# KiCad board dya-panelized.kicad_pcb (continued)
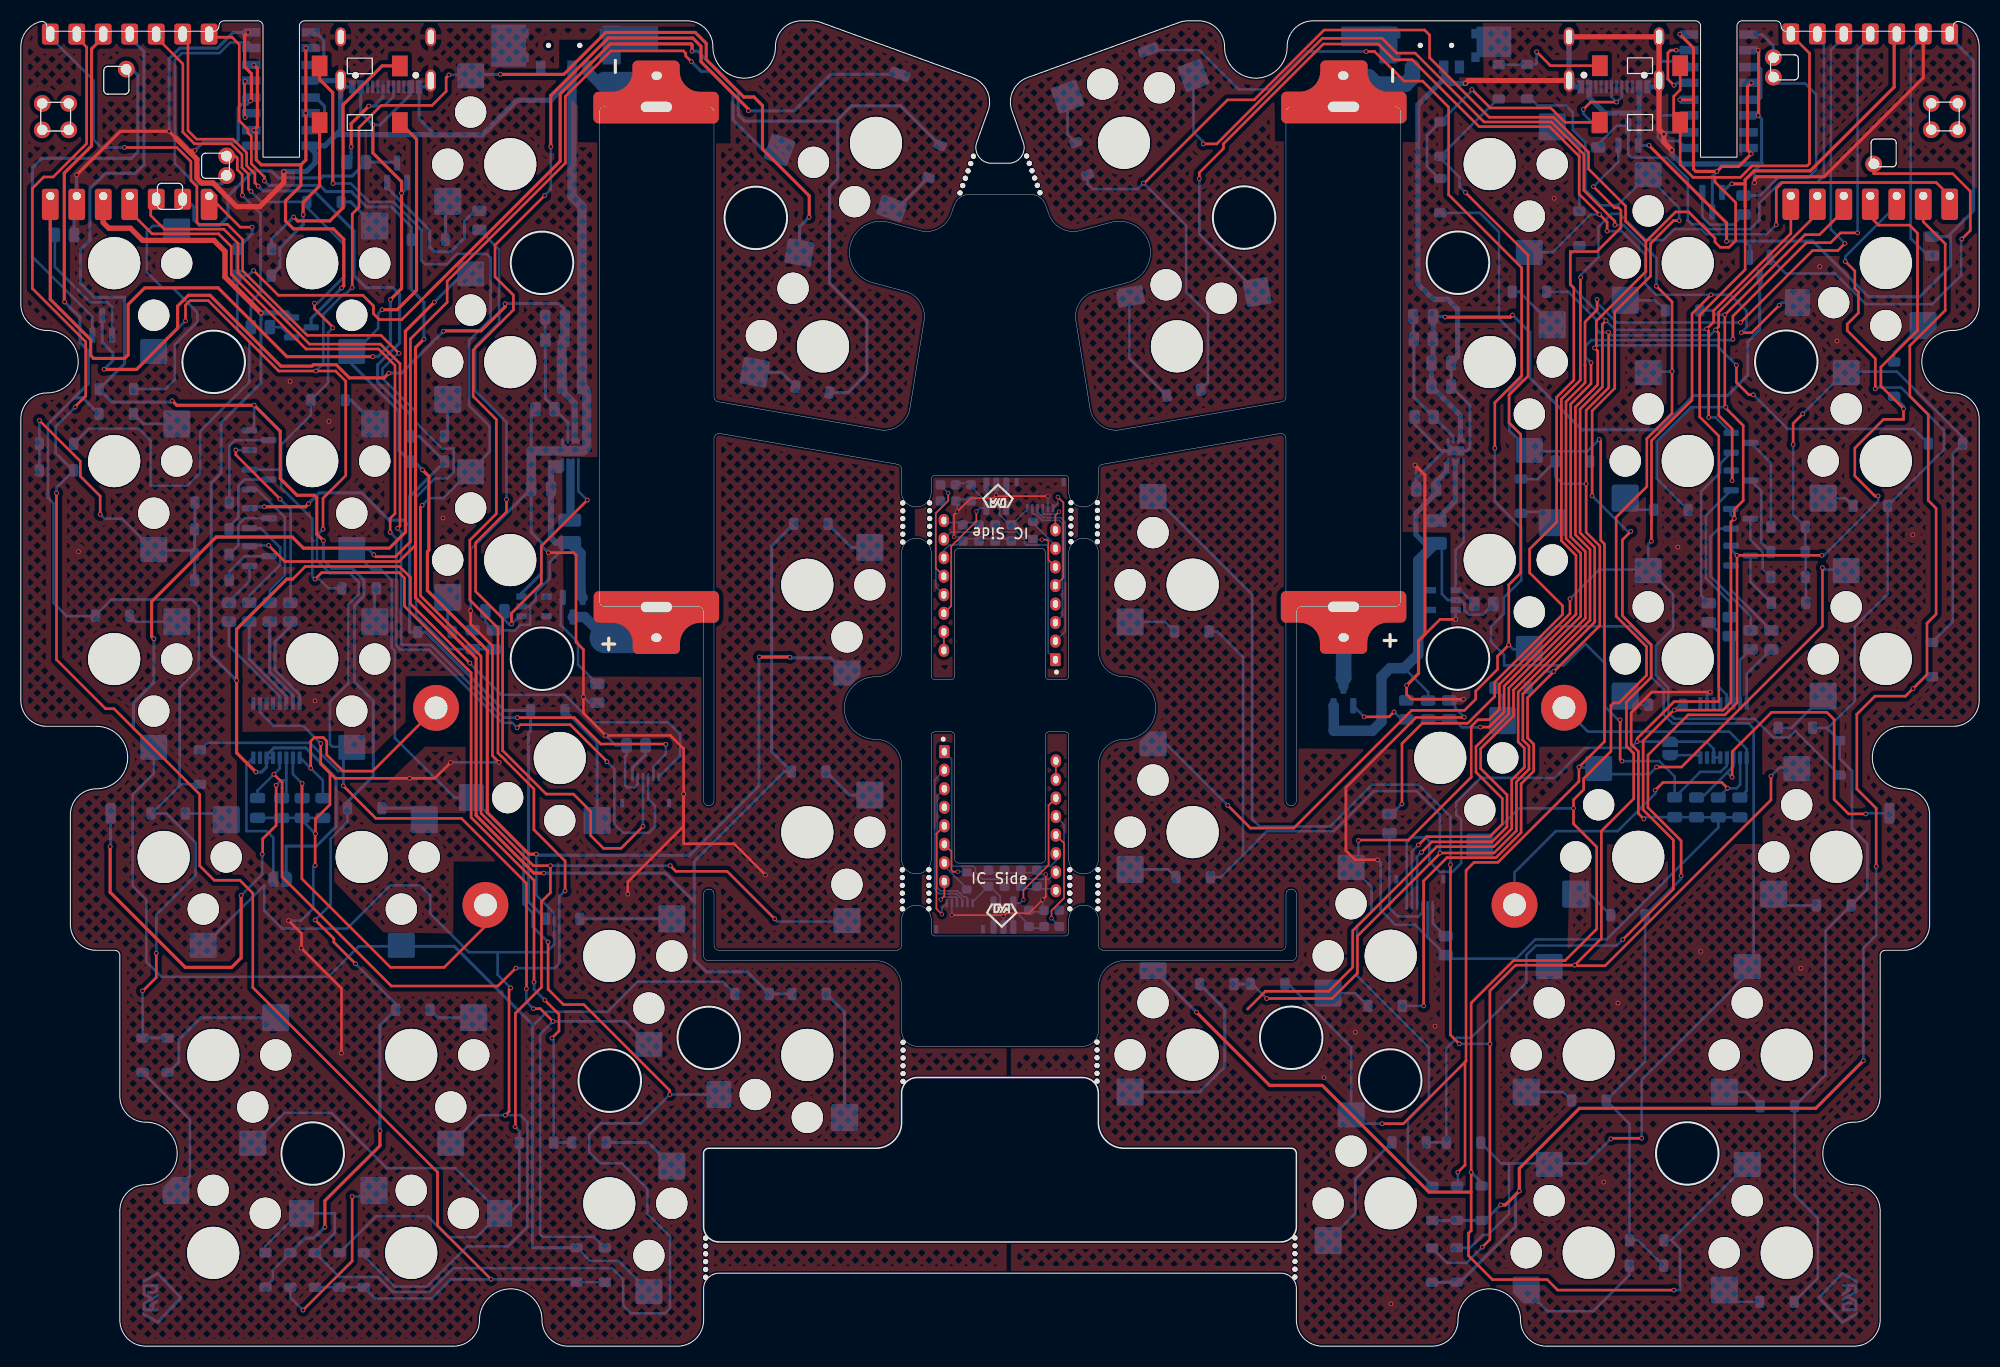
[diagram p0: board, top side]
## Library data of the parts (continued)
UL4 UR4 = -: Datasheet: https://jlcpcb.com/api/file/downloadByFileSystemAccessId/8588945609671774208; LCSC: C2890350
UR1 = -: Field4: Seeed Studio; Field5: XIAO

## Footprints (pads in the part's own frame, mm; a bottom-side part is the same pattern mirrored in y, then rotated)
AAA-battery
  round 1 hole 0.8x3.5: 1(-26.94,0) 2(27,-0.03)
  custom 6.033x12.034 hole 1x10: 1(-24,0) 2(24,0)
BU42XX
  rect 0.6x1 smd: 1(-0.95,-1.2) 2(0,-1.2) 3(0.95,-1.2) 4(0.95,1.2) 5(-0.95,1.2)
C_0603_1608Metric
  rrect 0.9x0.95 smd: 1(-0.775,0) 2(0.775,0)
C_0805_2012Metric
  rrect 1x1.45 smd: 1(-0.95,0) 2(0.95,0)
D_SOD-123
  rrect 0.9x1.2 smd: 1(-1.65,0) 2(1.65,0)
JUSHUO-AFH34-S06FIA-1H
  rect 0.4x0.8 smd: 0(-2.25,-2.5) 0(2.25,-2.5)
  rect 0.25x0.8 smd: 1(-1.25,0) 2(-0.75,0) 3(-0.25,0) 4(0.25,0) 5(0.75,0) 6(1.25,0)
Kailh-PG1353-Hotswap-1U
  round 3 hole 3 unplated: (-5,3.8) (0,6)
  round 5 hole 5.1 unplated: (0,0)
  rrect 2.405x2.59 smd: 1(-8.477,3.795)
  rrect 2.6x2.6 smd: 2(3.575,6)
Kailh-PG1353-Hotswap-1U#2
  round 3 hole 3 unplated: (-5,3.8) (0,6)
  round 5 hole 5.1 unplated: (0,0)
  rrect 2.405x2.59 smd: 1(-8.477,3.795)
  rrect 2x2.6 smd: 2(3.575,6)
Kailh-PG1353-Hotswap-1U#3
  round 3 hole 3 unplated: (-5,3.8) (0,6)
  round 5 hole 5.1 unplated: (0,0)
  rrect 2.405x2.59 smd: 1(-8.477,3.795)
  rrect 2.6x2 smd: 2(3.575,6)
Kailh-PG1353-Hotswap-1U#4
  round 3 hole 3 unplated: (-5,3.8) (0,6)
  round 5 hole 5.1 unplated: (0,0)
  rrect 1.6x2.59 smd: 1(-8.477,3.795)
  rrect 2.6x2.6 smd: 2(3.575,6)
Kailh-PG1353-Hotswap-1U#5
  round 3 hole 3 unplated: (-5,3.8) (0,6)
  round 5 hole 5.1 unplated: (0,0)
  rrect 2.405x2.59 smd: 1(-8.477,3.795)
  rrect 2.6x1.8 smd: 2(3.575,6)
L_1008_2520Metric
  rrect 1.25x2.2 smd: 1(-1.075,0) 2(1.075,0)
LED_SK6812MINI-E_BL
  rect 1.8x0.82 smd: 1(-2.6,0.75) 3(2.6,-0.75) 4(-2.6,-0.75)
  rrect 1.8x0.82 smd: 2(2.6,0.75)
LED_SK6812MINI-E_BL#2
  rect 1.75x0.82 smd: 1(-2.6,0.75) 3(2.6,-0.75) 4(-2.6,-0.75)
  rrect 1.75x0.82 smd: 2(2.6,0.75)
MK-12C02-G015
  round 0.5 hole 0.85 unplated: (-1.5,0) (1.5,0)
  rect 0.9x1.25 smd: 1(-2.25,-2.075) 2(-0.75,-2.075) 3(2.25,-2.075)
  rect 0.8x0.93 smd: 4(-3.8,-1.135) 4(-3.8,1.135) 4(3.8,-1.135) 4(3.8,1.135)
MountingHole_2.2mm_M2_Pad
  round 4.4 hole 2.2: 1(0,0)
Mouse_Bite_Hole
  round 0.5 hole 0.5 unplated: (-1.85,0) (-1.1,0) (-0.35,0) (0.4,0) (1.15,0) (1.9,0)
Mouse_Bite_Hole#2
  round 0.5 hole 0.5 unplated: (-1.85,0) (-1.1,0) (-0.35,0) (0.4,0) (1.15,0) (1.9,0)
PMW3610DM-SUDU 16Pin
  rrect 1.25x1 hole 0.75x0.5: 1(6.168,5.35)
  oval 1.25x1 hole 0.75x0.5: 2(4.388,5.35) 3(2.608,5.35) 4(0.828,5.35) 5(-0.952,5.35) 6(-2.732,5.35) 7(-4.512,5.35) 8(-6.292,5.35) 9(-7.182,-5.35) 10(-5.402,-5.35) 11(-3.622,-5.35) 12(-1.842,-5.35) 13(-0.062,-5.35) 14(1.718,-5.35) 15(3.498,-5.35) 16(5.278,-5.35)
Push_PTS636SM43SMTR
  rect 1.5x2 smd: 1(-3.85,0) 2(3.85,0)
R_0603_1608Metric
  rrect 0.8x0.95 smd: 1(-0.825,0) 2(0.825,0)
R_0805_2012Metric
  rrect 1.025x1.4 smd: 1(-0.912,0) 2(0.912,0)
SolderJumper-2_P1.3mm_Open_RoundedPad1.0x1.5mm
  custom 1x1.5 smd: 1(-0.65,0) 2(0.65,0)
SolderWirePad_1x01_SMD_1x2mm
  rrect 1x2 smd: 1(0,0)
SOT-23
  rrect 1.475x0.6 smd: 1(-0.938,0.95) 2(-0.938,-0.95) 3(0.938,0)
SOT-23-5
  rrect 1.325x0.6 smd: 1(-1.137,0.95) 2(-1.137,0) 3(-1.137,-0.95) 4(1.137,-0.95) 5(1.137,0.95)
SSOP-16_3.9x4.9mm_P0.635mm
  rect 1.2x0.4 smd: 1(-2.6,2.223) 2(-2.6,1.587) 3(-2.6,0.953) 4(-2.6,0.318) 5(-2.6,-0.318) 6(-2.6,-0.953) 7(-2.6,-1.587) 8(-2.6,-2.223) 9(2.6,-2.223) 10(2.6,-1.587) 11(2.6,-0.953) 12(2.6,-0.318) 13(2.6,0.318) 14(2.6,0.953) 15(2.6,1.587) 16(2.6,2.223)
unnamed
  round 0.5 hole 0.5 unplated: (0,0)
USB_C_Receptacle_G-Switch_GT-USB-7010ASV
  round 0.65 hole 0.65 unplated: (-2.89,2.605) (2.89,2.605)
  rect 0.6x1.24 smd: A1(-3.2,3.725) A4(-2.4,3.725) A9(2.4,3.725) A12(3.2,3.725) B1(3.2,3.725) B4(2.4,3.725) B9(-2.4,3.725) B12(-3.2,3.725)
  rect 0.3x1.24 smd: A5(-1.25,3.725) A6(-0.25,3.725) A7(0.25,3.725) A8(1.25,3.725) B5(1.75,3.725) B6(0.75,3.725) B7(-0.75,3.725) B8(-1.75,3.725)
  oval 1x1.8 hole 0.6x1.4: S1(-4.32,-1.075) S1(4.32,-1.075)
  oval 1x2.1 hole 0.6x1.7: S1(-4.32,3.125) S1(4.32,3.125)
WSON-8-1EP_2x2mm_P0.5mm_EP0.9x1.6mm
  rect 0.75x0.65 smd: (0,-0.4) (0,0.4)
  rrect 0.5x0.25 smd: 1(-0.95,0.75) 2(-0.95,0.25) 3(-0.95,-0.25) 4(-0.95,-0.75) 5(0.95,-0.75) 6(0.95,-0.25) 7(0.95,0.25) 8(0.95,0.75)
  rect 0.9x1.6 smd: 9(0,0)
XIAO-nRF52840-SMD
  rrect 3x1.6 hole 0.8: 1(-7.625,7.62) 2(-7.625,5.08) 3(-7.625,2.54) 4(-7.625,0) 5(-7.625,-2.54) 6(-7.625,-5.08) 7(-7.625,-7.62)
  rrect 2x1.6 hole 1.5x0.8: 8(7.925,-7.62) 9(7.925,-5.08) 10(7.925,-2.54) 11(7.925,0) 12(7.925,2.54) 13(7.925,5.08) 14(7.925,7.62)
  round 1.6 hole 1: 15(-4.561,0.326) 17(3.773,-9.3) 18(5.653,-9.3) 19(-1.27,8.39) 20(1.27,8.39) 21(-1.27,5.85) 22(1.27,5.85)
XIAO-nRF52840-SMD#2
  rrect 2x1.6 hole 1.5x0.8: 1(-7.925,7.62) 2(-7.925,5.08) 3(-7.925,2.54) 4(-7.925,0) 5(-7.925,-2.54) 6(-7.925,-5.08) 7(-7.925,-7.62)
  rrect 3x1.6 hole 0.8: 8(7.625,-7.62) 11(7.625,0) 12(7.625,2.54) 13(7.625,5.08) 14(7.625,7.62)
  rrect 2x1.6 hole 1.3x0.8: 9(7.925,-5.08) 10(7.925,-2.54)
  round 1.6 hole 1: 15(-4.561,0.326) 17(3.773,-9.3) 18(5.653,-9.3) 19(-1.27,8.39) 20(1.27,8.39) 21(-1.27,5.85) 22(1.27,5.85)

## Nets
3.3V_L: JL3.1 JPL1.2 QL5.2 UL1.12 UL4.5 UL4.6
3.3V_R: JPR1.2 JR3.1 QR5.2 UR1.12 UR4.5 UR4.6
GND: C1.2 C3.2 C4.2 C6.2 C7.2 C8.2 J1.5 P2_C1.2 P2_C3.2 P2_C4.2 P2_C6.2 P2_C7.2 P2_C8.2 P2_J1.5 P2_U1.11 P2_U2.2 U1.11 U2.2
GNDL: CL1.2 CL2.2 CL3.2 CL4.2 CL5.2 CL7.2 CL8.2 CR1.2 CR2.2 CR3.2 CR4.2 CR5.2 CR7.2 CR8.2 JL1.A1 JL1.A12 JL1.B1 JL1.B12 JL1.S1 JL3.5 JR1.A1 JR1.A12 JR1.B1 JR1.B12 JR1.S1 JR3.5 LED_L1.2 LED_L2.2 LED_L3.2 LED_L4.2 LED_R1.2 LED_R2.2 LED_R3.2 LED_R4.2 RL1.1 RL3.2 RL7.2 RL12.2 RL13.1 RR1.1 RR3.2 RR7.2 RR12.2 RR13.2 SW_BATL1.2 SW_BATR1.2 UL1.13 UL2.1 UL2.9 UL3.3 UL4.10 UR1.13 UR2.1 UR2.9 UR3.3 UR4.10
VBUS_L: JL1.A4 JL1.A9 JL1.B4 JL1.B9 QL6.1 QL7.1 RL12.1 UL1.14
VBUS_R: JR1.A4 JR1.A9 JR1.B4 JR1.B9 QR6.1 QR7.1 RR12.1 UR1.14
VCC_1.8V: C7.1 C8.1 P2_C7.1 P2_C8.1 P2_U1.14 P2_U2.5 U1.14 U2.5
VCC_3.3V: C1.1 J1.1 P2_C1.1 P2_J1.1 P2_R1.2 P2_U1.6 P2_U2.1 P2_U2.3 R1.2 U1.6 U2.1 U2.3
BAT_L: QL6.2 UL1.15
BAT_R: QR6.2 UR1.15
INPUT_VOLTAGE_L: RL2.2 RL3.1 UL1.1
INPUT_VOLTAGE_R: RR2.2 RR3.1 UR1.1
LABEL_CR3: DR3.2 DR21.2 DR43.1 DR45.1 SWR2.1 SWR7.1 SWR16.1 SWR20.1
LABEL_CR4: DR4.2 DR28.2 DR44.1 SWR3.1 SWR8.1 SWR12.1 SWR21.1
LABEL_CR5: DR5.2 DR35.2 DR46.1 SWR4.1 SWR9.1 SWR13.1 SWR17.1
LED_EN_L: RL5.1 UL1.17
LED_EN_R: RR5.1 UR1.17
LED_L: LED_L1.3 UL1.18
LED_R: LED_R1.3 UR1.18
LR_COM: JL1.A6 JL1.B6 RL15.1
LR_COM_R: JR1.A6 JR1.B6 RR15.1
MOTION: J1.4 P2_J1.4 P2_U1.8 U1.8
MOTION_L: JL3.4 RL14.2
MOTION_OR_LR_COM_L: QL7.3 RL15.2 UL1.9
MOTION_OR_LR_COM_R: QR7.3 RR15.2 UR1.9
MOTION_R: JR3.4 RR14.2
NCS: J1.6 P2_J1.6 P2_U1.5 U1.5
PINL0: DL1.1 DL2.1 DL3.1 DL4.1 DL5.1 DL6.1 UL1.2
PINL1: DL7.1 DL8.2 DL9.2 DL10.2 DL11.2 DL12.2 UL1.3
PINL2: DL13.2 DL14.1 DL15.2 DL16.2 DL17.2 QL1.2 UL1.4
PINL3: DL19.2 DL20.2 DL21.1 DL22.2 DL23.2 QL2.2 UL1.5
PINL4: DL25.2 DL26.2 DL27.2 DL28.1 DL29.2 QL3.2 UL1.6
PINL5: DL31.2 DL32.2 DL33.2 DL34.2 DL35.1 QL4.2 UL1.7
PINL6: DL37.2 DL38.2 DL39.2 DL40.2 DL42.1 UL1.8
PINR0: DR1.1 DR2.1 DR3.1 DR4.1 DR5.1 DR6.1 UR1.2
PINR1: DR7.1 DR8.2 DR9.2 DR10.2 DR11.2 DR12.2 UR1.3
PINR2: DR13.2 DR14.1 DR15.2 DR16.2 DR17.2 QR1.2 UR1.4
PINR3: DR19.2 DR20.2 DR21.1 DR22.2 DR23.2 QR2.2 UR1.5
PINR4: DR25.2 DR26.2 DR27.2 DR28.1 DR29.2 QR3.2 UR1.6
PINR5: DR31.2 DR32.2 DR33.2 DR34.2 DR35.1 QR4.2 UR1.7
PINR6: DR37.2 DR38.2 DR42.1 SWR27.2 SWR28.2 UR1.8
SCLK: J1.2 P2_J1.2 P2_U1.3 U1.3
SCLK_L: JL3.2 UL1.10
SCLK_R: JR3.2 UR1.10
SDIO: J1.3 P2_J1.3 P2_U1.2 U1.2
SDIO_L: JL3.3 UL1.11
SDIO_R: JR3.3 UR1.11
TOUCHL1: QL1.1 RL8.1
TOUCHL2: QL2.1 RL9.1
TOUCHL3: QL3.1 RL10.1
TOUCHL4: QL4.1 RL11.1
TOUCHR1: QR1.1 RR8.1
TOUCHR2: QR2.1 RR9.1
TOUCHR3: QR3.1 RR10.1
TOUCHR4: QR4.1 RR11.1
Net-(DL1-A): DL1.2 DL7.2 SWL6.1 SWL10.1 SWL14.1 SWL18.1 SWL22.1
Net-(DL8-K): DL8.1 SWL1.2
Net-(DL9-K): DL9.1 SWL2.2
Net-(DL10-K): DL10.1 SWL3.2
Net-(DL11-K): DL11.1 SWL4.2
Net-(DL12-K): DL12.1 SWL5.2
Net-(DL13-K): DL13.1 SWL6.2
Net-(DL14-A): DL2.2 DL14.2 SWL1.1 SWL11.1 SWL15.1 SWL19.1 SWL23.1
Net-(DL15-K): DL15.1 SWL7.2
Net-(DL16-K): DL16.1 SWL8.2
Net-(DL17-K): DL17.1 SWL9.2
Net-(DL18-A): DL18.2 QL1.3
Net-(DL18-K): DL6.2 DL18.1 DL24.1 DL30.1 DL36.1 DL42.2 SWL5.1
Net-(DL19-K): DL19.1 SWL10.2
Net-(DL20-K): DL20.1 SWL11.2
Net-(DL21-A): DL3.2 DL21.2 SWL2.1 SWL7.1 SWL16.1 SWL20.1 SWL24.1
Net-(DL22-K): DL22.1 SWL12.2
Net-(DL23-K): DL23.1 SWL13.2
Net-(DL24-A): DL24.2 QL2.3
Net-(DL25-K): DL25.1 SWL14.2
Net-(DL26-K): DL26.1 SWL15.2
Net-(DL27-K): DL27.1 SWL16.2
Net-(DL28-A): DL4.2 DL28.2 SWL3.1 SWL8.1 SWL12.1 SWL21.1 SWL25.1
Net-(DL29-K): DL29.1 SWL17.2
Net-(DL30-A): DL30.2 QL3.3
Net-(DL31-K): DL31.1 SWL18.2
Net-(DL32-K): DL32.1 SWL19.2
Net-(DL33-K): DL33.1 SWL20.2
Net-(DL34-K): DL34.1 SWL21.2
Net-(DL35-A): DL5.2 DL35.2 SWL4.1 SWL9.1 SWL13.1 SWL17.1
Net-(DL36-A): DL36.2 QL4.3
Net-(DL37-K): DL37.1 SWL22.2
Net-(DL38-K): DL38.1 SWL23.2
Net-(DL39-K): DL39.1 SWL24.2
Net-(DL40-K): DL40.1 SWL25.2
Net-(DR1-A): DR1.2 DR7.2 SWR6.1 SWR10.1 SWR14.1 SWR18.1 SWR22.1
Net-(DR8-K): DR8.1 SWR1.2
Net-(DR9-K): DR9.1 SWR2.2
Net-(DR10-K): DR10.1 SWR3.2
Net-(DR11-K): DR11.1 SWR4.2
Net-(DR12-K): DR12.1 SWR5.2
Net-(DR13-K): DR13.1 SWR6.2
Net-(DR14-A): DR2.2 DR14.2 SWR1.1 SWR11.1 SWR15.1 SWR19.1 SWR23.1
Net-(DR15-K): DR15.1 SWR7.2
Net-(DR16-K): DR16.1 SWR8.2
Net-(DR17-K): DR17.1 SWR9.2
Net-(DR18-A): DR18.2 QR1.3
Net-(DR18-K): DR6.2 DR18.1 DR24.1 DR30.1 DR36.1 DR42.2 SWR5.1
Net-(DR19-K): DR19.1 SWR10.2
Net-(DR20-K): DR20.1 SWR11.2
Net-(DR22-K): DR22.1 SWR12.2
Net-(DR23-K): DR23.1 SWR13.2
Net-(DR24-A): DR24.2 QR2.3
Net-(DR25-K): DR25.1 SWR14.2
Net-(DR26-K): DR26.1 SWR15.2
Net-(DR27-K): DR27.1 SWR16.2
Net-(DR29-K): DR29.1 SWR17.2
Net-(DR30-A): DR30.2 QR3.3
Net-(DR31-K): DR31.1 SWR18.2
Net-(DR32-K): DR32.1 SWR19.2
Net-(DR33-K): DR33.1 SWR20.2
Net-(DR34-K): DR34.1 SWR21.2
Net-(DR36-A): DR36.2 QR4.3
Net-(DR37-K): DR37.1 SWR22.2
Net-(DR38-K): DR38.1 SWR23.2
Net-(DR43-A): DR43.2 DR44.2 SWR27.1
Net-(DR45-A): DR45.2 DR46.2 SWR28.1
Net-(JL3-Pin_6): JL3.6 RL1.2
Net-(JL4-Pin_1): JL4.1 QL8.3
Net-(JL4-Pin_2): JL4.2 SW_BATL1.1
Net-(JPL1-A): JPL1.1 UL4.8
Net-(JPR1-A): JPR1.1 UR4.8
Net-(JR3-Pin_6): JR3.6 RR1.2
Net-(JR4-Pin_1): JR4.1 QR8.3
Net-(JR4-Pin_2): JR4.2 SW_BATR1.3
Net-(LED_L1-DOUT): LED_L1.1 LED_L2.3
Net-(LED_L1-VDD): LED_L1.4 LED_L2.4 LED_L3.4 LED_L4.4 QL5.3
Net-(LED_L2-DOUT): LED_L2.1 LED_L3.3
Net-(LED_L3-DOUT): LED_L3.1 LED_L4.3
Net-(LED_R1-DOUT): LED_R1.1 LED_R2.3
Net-(LED_R1-VDD): LED_R1.4 LED_R2.4 LED_R3.4 LED_R4.4 QR5.3
Net-(LED_R2-DOUT): LED_R2.1 LED_R3.3
Net-(LED_R3-DOUT): LED_R3.1 LED_R4.3
Net-(LL1-Pad2): LL1.2 UL2.6 UL2.7
Net-(LR1-Pad2): LR1.2 UR2.6 UR2.7
Net-(P2_U1-+VCSEL): P2_C6.1 P2_U1.1 P2_U1.10
Net-(P2_U1--VCSEL): P2_U1.15 P2_U1.16
Net-(P2_U1-CN): P2_C5.2 P2_U1.13
Net-(P2_U1-CP): P2_C5.1 P2_U1.12
Net-(P2_U1-NRESET): P2_R1.1 P2_U1.7
Net-(P2_U1-VCP): P2_C3.1 P2_C4.1 P2_U1.9
Net-(QL5-G): QL5.1 RL5.2
Net-(QL6-D): CL6.1 CL7.1 CL8.1 QL6.3 RL6.1 UL2.3 UL2.4
Net-(QL7-S): QL7.2 RL14.1
Net-(QL8-G): QL8.1 RL13.2
Net-(QL8-S): CL5.1 LL1.1 QL8.2 RL2.1 RL4.2 UL2.8 UL3.2
Net-(QR5-G): QR5.1 RR5.2
Net-(QR6-D): CR6.1 CR7.1 CR8.1 QR6.3 RR6.1 UR2.3 UR2.4
Net-(QR7-S): QR7.2 RR14.1
Net-(QR8-G): QR8.1 RR13.1
Net-(QR8-S): CR5.1 LR1.1 QR8.2 RR2.1 RR4.2 UR2.8 UR3.2
Net-(TL1-Pin_1): CL1.1 TL1.1 UL4.1
Net-(TL2-Pin_1): CL2.1 TL2.1 UL4.2
Net-(TL3-Pin_1): CL3.1 TL3.1 UL4.3
Net-(TL4-Pin_1): CL4.1 TL4.1 UL4.4
Net-(TR1-Pin_1): CR1.1 TR1.1 UR4.1
Net-(TR2-Pin_1): CR2.1 TR2.1 UR4.2
Net-(TR3-Pin_1): CR3.1 TR3.1 UR4.3
Net-(TR4-Pin_1): CR4.1 TR4.1 UR4.4
Net-(UL2-EN): RL4.1 UL2.5 UL3.1
Net-(UL2-FB): CL6.2 RL6.2 RL7.1 UL2.2
Net-(UL4-TPQ0): RL8.2 UL4.16
Net-(UL4-TPQ1): RL9.2 UL4.15
Net-(UL4-TPQ2): RL10.2 UL4.14
Net-(UL4-TPQ3): RL11.2 UL4.13
Net-(UR2-EN): RR4.1 UR2.5 UR3.1
Net-(UR2-FB): CR6.2 RR6.2 RR7.1 UR2.2
Net-(UR4-TPQ0): RR8.2 UR4.16
Net-(UR4-TPQ1): RR9.2 UR4.15
Net-(UR4-TPQ2): RR10.2 UR4.14
Net-(UR4-TPQ3): RR11.2 UR4.13

Pads without a net: C3 1; C4 1; C5 1 2; C6 1; J1 0; JL1 A5 A7 A8 B5 B7 B8; JL3 0; JR1 A5 A7 A8 B5 B7 B8; JR3 0; LED_L4 1; LED_R4 1; P2_J1 0; P2_U1 4; P2_U2 4; R1 1; SW_BATL1 3 4; SW_BATR1 1 4; U1 1 4 7 9 10 12 13 15 16; U2 4; UL1 19 20 21 22; UL3 4 5; UL4 7 9 11 12; UR1 19 20 21 22; UR3 4 5; UR4 7 9 11 12

## Via types
v1: diameter 0.4, hole 0.3, Top to Bottom, 18 vias
v2: diameter 0.45, hole 0.3, Top to Bottom, 280 vias

## Routing (per net, layer and track width the routed paths; a pad name or vN(x,y) marks a point on that pad's centre or on a via; arc(x,y) is an arc through that point)
3.3V_L: length 161.3
  Top w0.25: 26.07,73.62 27.29,74.83 36.34,74.83 37.37,73.8 37.37,71.27 v2(43.07,65.57)
  Top w0.3: 26.07,73.62 25.5,73.62 20.7,68.82 v2(20.7,63.89) 20.7,56.95 v2(22.54,55.11)
  Top w0.5: UL1.12 7.9,107.85 8.44,107.31 10.51,107.31 11.68,106.14 18.53,106.14 19.58,105.09 19.58,102.63 23.03,99.18 v2(23.04,99.18)
  Bottom w0.25: JL3.1 63.24,56.68 63.24,58.75 62.11,59.88 54.84,59.88 52.2,62.53 46.09,62.53 43.07,65.54 v2(43.07,65.57)
  Bottom w0.3: v2(20.7,63.89) 18.26,66.33 18.26,82.85 19.21,83.8 19.21,88.62 23.04,92.44 23.04,98.53 23.04,98.54 v2(23.04,99.18) ; UL4.6 23.57,55.58 23.1,55.11 v2(22.54,55.11) ; UL4.6 23.57,56.71 24.29,57.43 27.33,57.43 30.25,54.51 30.25,49.9 28.34,47.99 25.45,47.99 25.45,44.9 JPL1.2 ; UL4.6 UL4.5
  Bottom w0.5: v2(23.04,99.18) 25.54,99.18 QL5.2
3.3V_R: length 136.9
  Top w0.25: v2(155.06,58.02) 155.06,58.32 158.61,61.87 162.89,61.87 162.9,61.87 162.9,87.37 161.07,89.2 161.07,98.98 165.43,103.34 165.43,109.39
  Top w0.3: 165.43,109.39 165.43,111.96 166.29,112.82 171.68,112.82 179.72,120.86 179.72,125.41 179.97,125.66 ; v2(164.15,111.57) 165.43,111.57
  Bottom w0.25: JR3.1 132.96,48.37 133.42,48.83 134.78,48.83 135.12,48.49 135.12,46.53 136.12,45.54 137.36,45.54 138.18,46.36 138.18,50.54 137.7,51.02 137.7,52.18 140.06,54.54 147.16,54.54 150.04,57.42 154.46,57.42 v2(155.06,58.02) JPR1.2 161.72,58.02 162.4,57.34 UR4.6 UR4.5
  Bottom w0.3: QR5.2 164.05,111.57 v2(164.15,111.57)
GND: length 50.7
  Top w0.16: v1(98.33,45.29) 98.33,43.16 v1(98.03,42.86) 96.73,41.56 94.56,41.56 v1(94.27,41.27) 94.16,41.38 v1(89.32,41.38) ; v1(89.53,77.68) 89.53,79.81 v1(89.83,80.11) 91.13,81.41 93.29,81.41 v1(93.58,81.7) 93.69,81.59 v1(98.54,81.59)
  Bottom w0.16: v1(89.53,77.68) 90.2,77.68 90.37,77.51 ; v1(98.54,81.59) P2_J1.5 ; v1(98.33,45.29) 97.65,45.29 97.49,45.45 ; 90.37,77.51 90.37,77.45 89.84,76.92 89.09,76.92 88.55,76.38 P2_U1.11 ; 90.37,77.51 93.48,77.51 93.49,77.5 95.03,77.5 ; 92.83,45.46 94.37,45.46 94.38,45.45 97.49,45.45 ; 96.57,41.68 98.03,41.68 v1(98.03,42.86) ; 97.49,45.45 97.49,45.52 98.02,46.05 98.76,46.05 99.3,46.58 U1.11 ; v1(94.27,41.27) U2.2 ; v1(89.83,80.11) 89.83,81.28 91.29,81.28 ; v1(93.58,81.7) P2_U2.2 ; v1(89.32,41.38) J1.5
GNDL: length 683.2
  Top w0.25: v2(71.43,45.23) 68.44,48.22 63.58,48.22 v2(63.58,53) ; 28.77,55.89 29.66,55.01 29.66,51.99 28.26,50.59 v2(28.26,49.19) 28.23,49.16 v2(28.23,46.15) ; 28.77,55.89 30.16,54.51 39.71,54.51 v2(41.23,56.03) ; 28.77,55.89 v2(28.77,57.85) ; v2(130.16,46.68) 128.01,46.68 127.12,47.57 127.12,53.63 133.84,60.35 138.46,60.35 v2(138.48,60.37) ; v2(162.08,62.78) 156.46,62.78 154.49,60.81 154.49,57.78 155.19,57.08 155.19,51.13 v2(155.7,50.61) ; v2(30.76,28.13) 30.76,34.35 v2(26.9,38.21) 26.92,38.23 26.92,39.61 v2(25.68,40.85) ; v2(43.15,70.6) 43.15,69.31 45.24,67.22 45.24,56.68 v2(45.88,56.04) ; 134.7,68.31 136.15,69.76 v2(137.66,69.76) ; v2(138.4,62.1) 133.42,62.1 132.95,62.58 v2(132.95,63.43) ; v2(63.58,53) 63.58,57.35 62.31,58.63 v2(56.11,58.63) 53.97,60.76 v2(53.97,62.33) 53.97,66.87 53.26,67.58 53.26,75.94 53.03,76.17 v2(50.61,76.17) ; v2(63.58,53) 63.58,49.91 58.23,44.56 v2(58.23,43.39)
  Top w0.3: v2(133.75,84.58) 134.7,83.63 134.7,68.31 134.09,67.7 134.09,64.57 v2(132.95,63.43) ; v2(166.67,124.4) 166.72,124.35 166.72,118.18 v2(166.67,118.13) ; v2(166.32,111.68) 166.32,112.01 166.56,112.25 173,112.25 182.51,121.76 182.51,125.66 ; UL1.13 5.2,110.24 ; v2(16.7,114.78) 16.05,114.78 v2(14.22,116.61) 9.53,116.61 v2(5.35,112.43) ; v2(22.03,119.53) 22.12,119.62 22.12,122.14 21.47,122.79 21.47,125.79 v2(21.79,126.11) ; 30.58,125.25 30.57,125.26
  Top w0.5: v2(25.22,112.75) 25.22,111.69 22.91,109.38 20.71,109.38 18.45,111.65 17.36,111.65 16.89,112.12 16.89,113.94 14.86,115.97 ; JR1.S1 138.87,121.49 v2(138.59,121.21) ; JR1.S1 JR1.S1 JR1.S1 157.17,116.79 v2(157.62,116.34) 157.62,115.58 v2(158.4,114.8)
  Bottom w0.16: 99.3,50.84 100.08,50.06 100.08,43.01 99.49,42.42 99.49,41.68
  Bottom w0.25: LED_R1.2 v2(166.67,124.4) ; v2(132.95,63.43) 132.95,62.02 RR13.2 ; v2(166.67,118.13) 166.66,118.14 LED_R3.2 ; CR2.2 160.77,50.76 CR3.2 158.68,50.77 CR4.2 155.87,50.78 v2(155.7,50.61) ; CR2.2 CR1.2 ; CR2.2 162.85,49.78 152.12,39.04 145.3,39.04 143.46,37.2 137.01,37.2 RR1.1 134.96,39.25 ; JL3.5 59.18,53.95 58.87,53.63 58.16,53.63 57.97,53.82 57.97,56.57 57.96,56.58 58.11,56.73 RL1.1 57.07,57.66 v2(56.11,58.63) ; JR3.5 134.96,39.25 ; 134.96,39.25 133.77,40.44 131.88,40.44 130.46,41.86 130.46,46.38 v2(130.16,46.68) ; v2(50.61,76.17) 49.95,76.83 49.95,77.12 ; UR3.3 v2(137.66,69.76) ; v2(28.26,49.19) 26.98,50.47 CL2.2 ; v2(138.48,60.37) 137.61,61.24 137.61,61.43 ; v2(162.08,62.78) 162.04,62.78 161.77,62.51 UR4.10 ; v2(53.97,62.33) 54.55,61.76 RL13.1 ; v2(28.23,46.15) 28.07,45.99 28.07,42.04 26.88,40.85 v2(25.68,40.85) ; 43.95,77.3 43.15,76.5 43.15,68.92 v2(43.15,70.6) ; RR3.2 138.29,61.99 v2(138.4,62.1) ; v2(41.23,56.03) 41.24,56.04 v2(45.88,56.04) ; CL1.2 22.72,50.7 CL4.2 ; 182.51,125.66 181.31,124.46 181.31,106.33 182.96,104.68 RR12.2 ; UL4.10 22.93,60.87 24.26,59.54 27.08,59.54 v2(28.77,57.85) ; 156.57,120.89 JR1.S1
  Bottom w0.3: UR2.1 136.91,86.56 137.53,85.94 UR2.9 ; LED_L3.2 21.71,119.21 21.17,119.21 20.85,118.89 20.85,115.77 20.67,115.59 17.51,115.59 v2(16.7,114.78) ; v2(14.22,116.61) 14.22,123.56 15.26,124.6 18.87,124.6 20.38,126.11 v2(21.79,126.11) LED_L1.2 ; v2(5.35,112.43) 5.35,110.83 5.36,110.82 UL1.13 5.1,110.13 RL12.2 ; 53.82,92.14 CL8.2 53.98,91.98 ; UR2.9 136.27,85.94 133.72,88.49 RR7.2 ; UR2.9 136.56,85.94 133.87,83.25 CR5.2 133.87,84.46 v2(133.75,84.58) ; UR2.9 138.76,85.94 139.01,86.19 139.01,90.34 CR8.2 137.22,94.36 CR7.2 ; JR1.S1 157.17,123.06 157.44,123.33 159.74,123.33 LED_R2.2 ; JL1.S1 31.28,120.88 JL1.A1 ; UL2.9 52.6,85.93 51.98,86.55 UL2.1 ; v2(166.32,111.68) 166.32,112.83 167,113.51 167,117.8 v2(166.67,118.13) ; 43.95,77.3 CL5.2 48.96,78.11 49.95,77.12 49.95,74.18 48.03,72.26 UL3.3 ; 53.98,85.97 53.94,85.93 ; 39.74,116.27 38.2,117.81 JL1.A12 38.72,120.88 JL1.S1 ; LED_R4.2 157.79,116.51 v2(157.62,116.34) ; LED_L2.2 27.56,121.48 ; 48.96,85.93 48.96,89.52 RL7.2 ; LED_L4.2 28.31,115.22
  Bottom w0.5: 30.24,116.29 29.17,115.22 LED_L4.2 28.23,114.54 28.23,113.59 27.4,112.76 25.23,112.76 v2(25.22,112.75) ; 30.24,116.29 39.72,116.29 39.74,116.27 44.28,116.27 47.59,119.59 50.84,119.59 52.87,121.62 SW_BATL1.2 ; 30.24,116.29 30.68,116.73 JL1.S1 27.56,121.48 ; v2(158.4,114.8) 158.4,114.45 159.38,113.47 166.96,113.47 167,113.51 ; JR1.A12 156.57,120.89 ; JR1.A1 149.13,120.89 JR1.S1 JR1.S1 ; CR7.2 137.84,94.98 137.84,99.55 136.91,100.48 135.5,100.48 134.03,101.95 134.03,119.16 136.51,121.64 SW_BATR1.2 136.51,121.93 137.24,121.21 v2(138.59,121.21)
  Bottom w0.9: SW_BATL1.2 52.87,110.36 53.82,109.41 CL7.2 53.82,92.14 ; 53.98,85.97 54.28,86.27 54.28,91.68 53.98,91.98 ; CL5.2 48.96,85.93 UL2.9 53.94,85.93
  vias: v2(5.52,76.27) v2(25.82,92.61) v2(28.22,61.95) v2(29.55,88.77) v2(37.29,54.51) v2(40.5,79.5) v2(125.02,25.78) v2(128.03,30.14) v2(131.45,4.06) v2(135.67,30.71) v2(147.1,110.18) v2(151.86,15.75) v2(153.22,32.93) v2(158.97,76.7) v2(161.17,37.89) v2(170.77,36.28) v2(172.58,103.63) v2(174.24,96.49) v2(181.51,77.87)
VBUS_L: length 105
  Top w0.3: v2(35.46,100.46) 36.52,101.52 v2(36.52,110.67) 36.52,111.78 33.77,114.54 v2(33.77,117.23) ; UL1.14 2.82,100.48 6.7,96.61 6.7,95.1 6.98,94.81 9.95,94.81 10.29,95.15 10.29,99.99 11.88,101.58 18.93,101.58 25.53,94.98 v2(33.76,94.98)
  Bottom w0.25: QL6.1 8.76,99.74 8.3,100.2 6.66,100.2 3.27,103.59 RL12.1 2.78,107.15 2.78,110.35 UL1.14
  Bottom w0.3: JL1.A4 32.6,118.4 v2(33.77,117.23) 34.47,117.23 37.4,120.16 JL1.A9 ; v2(33.76,94.98) 34.26,94.98 35.45,96.17 35.45,100.45 v2(35.46,100.46) ; v2(36.52,110.67) 37.04,111.19 QL7.1
VBUS_R: length 79.4
  Top w0.3: v2(163.64,106.05) 163.64,107.82 v2(156.2,115.26)
  Bottom w0.3: v2(163.64,106.05) 163.67,106.08 165.41,106.08 ; 165.41,106.08 171.91,106.08 177.26,100.73 182.17,100.73 185.13,103.69 185.13,106.51 RR12.1 184.87,106.51 187.34,108.98 187.34,123.37 185.05,125.66 ; 165.41,106.08 165.87,105.62 QR6.1 ; v2(156.2,115.26) 155.18,115.26 QR7.1
  Bottom w0.5: 155.25,118.36 151.96,118.36 150.45,119.87 JR1.A4 ; 155.25,118.36 JR1.A9 ; 155.25,118.36 155.25,115.36 QR7.1
VCC_1.8V: length 32.6
  Top w0.16: v1(91.67,80.12) 91.67,79.19 89.26,76.78 89.26,71.05 P2_U1.14 ; U1.14 98.6,51.91 98.6,46.19 96.19,43.78 v1(96.19,42.85)
  Bottom w0.16: v1(91.67,80.12) 92,80.45 P2_U2.5 92.63,81.04 90.84,82.83 89.83,82.83 ; v1(96.19,42.85) 95.85,42.51 U2.5 95.22,41.92 97.01,40.13 98.03,40.13
VCC_3.3V: length 33.8
  Top w0.16: v1(89.9,45.55) 89.42,45.55 89.28,45.68 89.28,47.49 U1.6 ; P2_U1.6 98.57,75.48 98.57,77.28 98.44,77.42 v1(97.96,77.42)
  Bottom w0.16: U2.1 95.22,41.3 93.96,42.56 ; v1(97.96,77.42) 96.98,77.42 95.34,79.05 95.03,79.05 ; 93.96,42.56 93.96,42.56 93.96,43.17 92.98,44.15 92.83,44.15 91.32,42.64 J1.1 ; 93.96,42.56 93.85,42.45 93.85,41.83 93.32,41.3 U2.3 93.28,40.24 ; 93.89,80.4 92.63,81.66 P2_U2.1 ; 93.89,80.4 94.01,80.52 94.01,81.14 94.53,81.66 P2_U2.3 94.57,82.72 ; 93.89,80.4 93.9,80.4 93.9,79.8 94.88,78.82 95.03,78.82 96.54,80.33 P2_J1.1 ; 92.83,43.91 92.51,43.91 90.88,45.55 v1(89.9,45.55)
(no net): length 16.9
  Top w0.16: U1.12 100.08,48.28 100.08,43.01 98.88,41.81 v1(98.88,41.07)
  Bottom w0.16: v1(98.88,41.07) 99.49,40.46 99.49,40.13 ; 95.94,43.9 99.11,43.9 U1.9 ; U1.7 88.6,46.1 90.75,43.96 R1.1
BAT_L: length 38
  Bottom w0.25: 1.54,104.13 6.86,98.8 QL6.2
  Bottom w0.3: 1.54,104.13 1.1,104.56 1.1,113.1 2.02,114.02 10.6,114.02 11.23,114.65 11.23,121.99 10.57,122.65 10.18,122.65 UL1.15
BAT_R: length 40.4
  Top w0.25: 177.76,113.18 177.76,112.55 185.33,112.55 187.02,110.86 187.02,107.08 v2(186.21,106.27)
  Bottom w0.25: QR6.2 169.33,102.96 174.07,102.96 177.02,100.01 183.35,100.01 186.15,102.81 186.15,106.21 v2(186.21,106.27)
INPUT_VOLTAGE_L: length 94.6
  Top w0.25: v2(9.93,115.06) 14.96,115.06 16.32,113.7 16.32,111.88 16.89,111.3 16.89,107.88 17.1,107.67 19.83,107.67 21.28,106.22 21.28,103.23 27.48,97.03 34.55,97.03 v2(36.28,95.3)
  Bottom w0.25: v2(36.28,95.3) 36.16,95.3 35.04,94.18 35.03,94.18 34.7,93.84 34.7,92.89 37.87,89.72 37.87,88.71 40.43,86.15 41.52,86.15 41.52,83.88 40.93,83.29 39.71,83.29 37.93,81.5 37.93,70.13 38.33,69.73 38.33,69.73 41.15,66.91 RL3.1 45.37,66.91 RL2.2 ; 2.82,125.65 6.98,121.49 6.98,115.8 7.72,115.06 v2(9.93,115.06)
INPUT_VOLTAGE_R: length 100.2
  Top w0.25: v2(168.41,107.64) 168.41,111.12 168.99,111.7 183.76,111.7 UR1.1 ; v2(140.03,59.42) 140.85,59.42 142.3,60.87 142.3,63.36 149.2,70.25 149.2,75.92 147.79,77.32 147.79,90.9 149.62,92.73 149.62,98.5 149.62,98.51 149.62,102.56 v2(149.65,102.59)
  Bottom w0.25: v2(168.41,107.64) 167.5,106.73 161.68,106.73 161.19,107.22 158.61,107.22 157.56,106.17 155.91,106.17 153.4,108.68 152.59,108.68 151.35,107.44 151.35,104.53 149.65,102.83 v2(149.65,102.59) ; v2(140.03,59.42) 140.01,59.4 138.26,59.4 137.5,60.17 134.99,60.17
LABEL_CR3: length 210.7
  Top w0.25: v2(115.78,51.91) 117.96,49.73 122.13,49.73 133.43,61.03 138.5,61.03 139.58,62.11 139.58,62.88 141.67,64.97 141.67,66.23 v2(142.75,67.31) 142.75,73.09 143.9,74.24 143.9,87.51 142.77,88.63 142.77,91.29 144.6,93.13 144.6,104.73 v2(138.59,110.74) ; v2(155.5,19.96) 152.6,19.96 v2(152.54,19.9)
  Bottom w0.25: DR43.1 141.69,119.71 DR45.1 136.2,114.02 138.04,112.18 138.04,111.29 v2(138.59,110.74) ; v2(152.54,19.9) 150.18,17.54 142.04,17.54 ; DR3.2 139.03,9.44 140.27,10.68 140.75,10.68 142.77,12.7 142.77,17.54 142.04,17.54 ; 142.04,17.54 DR21.2 ; v2(115.78,51.91) 109.78,57.92 108.62,57.92 ; v2(142.75,67.31) 143.17,66.89 145.08,66.89 147.28,69.09 154.53,69.09 156.41,67.21 156.41,64.23 157.61,63.03 157.61,60.63 158.46,59.77 165.75,59.77 166.25,59.28 166.25,37.17 165.62,36.54 165.62,35.69 155.5,25.57 v2(155.5,19.96)
LABEL_CR4: length 267.4
  Top w0.25: v2(149.07,36.57) 151.63,39.13 151.63,49.44 154.74,52.55 154.74,56.9 154.04,57.6 154.04,61.83 156.41,64.2 156.41,67.34 153.65,70.1 153.65,77.4 v2(154.46,78.21) ; v2(149.07,36.57) 149.23,36.57 149.28,36.52 151.99,36.52 167.9,52.43 v2(167.9,54.72) ; v2(149.07,36.57) 143.4,36.57 140.94,34.11 v2(140.94,28.99) 140.94,10.24 v2(140.2,9.5) ; v2(150.75,81.62) 150.75,89.78 152.92,91.95 152.92,99.28 156.35,102.71 156.35,105.84 158.55,108.04 v2(159.1,108.04) ; v2(137.15,46.22) 137.15,29.87 v2(138,29.02)
  Bottom w0.25: 108.62,81.67 118.13,72.16 118.13,50.6 118.86,49.87 119.33,49.87 119.34,49.88 125.6,49.88 129.62,53.9 134.09,53.9 137.15,50.84 v2(137.15,46.22) ; v2(140.2,9.5) 138.7,7.99 136.83,7.99 DR4.2 ; v2(154.46,78.21) 154.16,78.21 v2(150.75,81.62) 150.75,84.69 DR28.2 ; v2(159.1,108.04) 159.1,109.24 156.12,112.22 156.12,112.54 ; v2(149.07,36.57) 146.65,36.57 146.62,36.54 ; v2(167.9,54.72) 168.72,55.54 170.37,55.54 ; SWR12.1 153.19,109.51 151.57,109.51 150.1,110.98 150.1,115.52 148.89,116.73 148.89,118.42 148.22,119.09 145.51,119.09 144.88,119.73 DR44.1 ; v2(138,29.02) 140.91,29.02 v2(140.94,28.99)
LABEL_CR5: length 182.5
  Top w0.25: v2(151.42,87.03) 151.57,86.88 151.57,77.36 151.93,77 151.93,58.03 v2(149.48,55.58) 149.48,54.21 141.71,46.44 139.42,46.44 138.65,45.67 138.65,27.37 ; 138.65,27.37 138.56,27.28 138.56,17.39 v2(137.86,16.69) ; 138.65,27.37 132.63,21.35 v2(130.6,21.35) ; v2(156.93,55.59) 159.33,55.59 172.84,69.1 v2(172.84,74.72)
  Bottom w0.25: 144.72,85.89 150.28,85.89 v2(151.42,87.03) ; DR46.1 139.98,108.78 141.81,106.95 141.81,98.62 143.97,96.46 143.97,92.84 142.8,91.67 142.8,87.91 SWR17.1 ; v2(156.93,55.59) 156.25,54.91 152,54.91 151.37,55.54 149.52,55.54 v2(149.48,55.58) ; DR35.2 121.59,34.77 127.62,28.74 127.62,22.2 128.47,21.35 v2(130.6,21.35) ; v2(137.86,16.69) 137.86,15.44 DR5.2 ; v2(172.84,74.72) 173.02,74.54 175.12,74.54
LED_EN_L: length 19.1
  Top w0.25: v2(21.25,110.46) 21.23,110.48 21.23,112.47 20.76,112.94 20.76,114.04 20.56,114.25 UL1.17
  Bottom w0.25: 20.18,114.25 19.75,114.25 UL1.17 ; v2(21.25,110.46) 22.99,108.72 22.99,101.16 22.07,100.24 RL5.1
LED_EN_R: length 20.9
  Bottom w0.25: RR5.1 166.86,110.45 168.54,112.13 171.46,112.13 172.24,112.91 172.24,120.15 171.19,121.2 168.43,121.2 168.13,121.5 UR1.17 167.67,121.34
LED_L: length 25.2
  Bottom w0.25: 19.74,111.86 UL1.18 ; LED_L1.3 21.82,125.14 20.08,125.14 19.06,124.12 15.45,124.12 14.78,123.45 14.78,116.86 14.8,116.85 14.8,116.37 14.78,116.36 14.78,113.52 15.61,112.69
  Bottom w0.3: 15.61,112.69 16.73,111.57 19.29,111.57 19.74,112.02 UL1.18
LED_R: length 4.2
  Bottom w0.3: LED_R1.3 167.05,125.9 168.13,124.82 UR1.18
LR_COM: length 12.1
  Top w0.3: v2(33.37,119.03) 31.69,117.35 v2(31.69,115.13)
  Bottom w0.25: JL1.B6 35.75,119.96 34.84,119.04 33.89,119.04
  Bottom w0.3: JL1.A6 34.75,119.91 33.89,119.04 33.38,119.04 v2(33.37,119.03) ; v2(31.69,115.13) 31.69,114.05 RL15.1
LR_COM_R: length 9.2
  Top w0.25: v2(153.09,119.42) 150.61,119.42 v2(149.9,118.71)
  Bottom w0.25: JR1.B6 153.6,119.93 v2(153.09,119.42) 152.6,119.9 JR1.A6 ; v2(149.9,118.71) 149.9,118.31 RR15.1
MOTION: length 9.1
  Top w0.16: v1(88.26,42.87) 88.6,43.21 U1.8 88.96,44.25 ; v1(99.6,80.1) 99.25,79.75 P2_U1.8 98.89,78.72
  Bottom w0.16: P2_J1.4 98.04,79.98 98.16,79.86 99.36,79.86 v1(99.6,80.1) ; J1.4 89.82,42.99 89.7,43.11 88.5,43.11 v1(88.26,42.87)
MOTION_L: length 79.6
  Top w0.25: v2(46.59,81.27) 46.59,80.08 43.62,77.11 43.62,72.45 46.22,69.85 46.22,57.17 50.4,52.99 53.01,52.99 54.66,51.34 54.66,49.02 55.9,47.78 57.57,47.78 v2(59.68,49.89)
  Bottom w0.25: v2(59.68,49.89) JL3.4 ; RL14.2 45.88,105.26 45.88,98.25 43.59,95.96 43.59,91.68 46.59,88.68 v2(46.59,81.27)
MOTION_OR_LR_COM_L: length 26.7
  Bottom w0.3: QL7.3 36.02,113.65 RL15.2 31.79,112.32 29,112.32 28.82,112.14 24.7,112.14 24.03,112.81 22.29,112.81 19.86,110.38 19.86,108.39 19.04,107.57 17.14,107.57 16.6,108.11 16.6,109.36 15.87,110.1 ; 15.52,110.31 15.52,110.4 15.52,110.1
MOTION_OR_LR_COM_R: length 47.4
  Bottom w0.25: RR15.2 151.32,115.36 153.11,117.15 QR7.3 154.21,114.4 154.53,114.08 157.89,114.08 159.93,112.05 159.93,108.08 160.3,107.7 161.36,107.7 161.85,107.21 165.89,107.21 166.78,108.1 166.78,109.7 168.76,111.68 172.3,111.68 172.98,112.36 172.98,125.03 172.35,125.66
MOTION_R: length 11.5
  Bottom w0.25: JR3.4 134.46,41.64 134.07,41.24 132.11,41.24 131.3,42.05 RR14.2
NCS: length 20.6
  Top w0.16: v1(88.37,41.46) 87.84,41.99 87.84,49.18 U1.5 ; v1(99.49,81.51) 100.02,80.98 100.02,73.78 P2_U1.5
  Bottom w0.16: v1(99.49,81.51) 99.49,80.89 P2_J1.6 ; v1(88.37,41.46) 88.37,42.08 J1.6
PINL0: length 175.4
  Top w0.25: v2(5.21,90.14) 5.21,90.19 6.22,91.2 6.22,96.41 1.1,101.53 1.1,111.13 2.2,112.23 3.1,112.23 6.31,115.44 6.31,124.7 5.37,125.64 ; v2(45.11,6.42) 39.97,11.56 39.97,16.7 22.25,34.42 22.25,43.48 21.01,44.72 18.55,44.72 17.16,46.11 17.16,52.96 8.94,61.18 8.13,61.18 3.42,65.89 v2(3.42,81.87)
  Bottom w0.25: DL2.1 28.21,5.66 DL3.1 DL4.1 33.99,4.58 39.41,4.58 41.25,6.42 v2(45.11,6.42) 53.05,6.42 53.34,6.13 DL1.1 ; v2(3.42,81.87) 3.42,82.41 5.01,84 5.08,84 3.34,85.74 3.34,88.27 v2(5.21,90.14)
PINL1: length 129.8
  Top w0.25: v2(12.99,37.72) 12.99,35.39 11.7,34.1 v2(11.67,34.1)
  Top w0.3: v2(4.2,100.23) 4.16,100.27 4.16,112.6 6.78,115.22 6.78,124.53 7.9,125.65 7.9,125.41
  Bottom w0.25: 15.24,53.8 15.38,53.94 DL7.1 ; 15.24,53.8 12.57,51.13 DL10.2 13.97,51.13 16.77,48.33 16.77,45.19 12.99,41.41 v2(12.99,37.72) ; 15.24,53.8 15.24,63.2 17.08,65.05 17.08,70.98 16.39,71.67 8.69,71.67 7.09,70.07 4.41,70.07 3.13,71.36 3.13,80.91 2.6,81.43 2.6,88.51 5.13,91.04 ; DL8.2 11.68,32.01 11.67,32.02 v2(11.67,34.1)
  Bottom w0.3: v2(4.2,100.23) 5.67,98.76 5.67,96.34 6.47,95.54 6.47,92.38 5.13,91.04 5.95,91.04 DL12.2 ; DL9.2 DL8.2
PINL2: length 164.6
  Top w0.25: v2(28.23,40.91) 30.03,39.11 30.03,38.78 v2(32.11,36.7)
  Top w0.3: v2(29.17,11.43) 29.17,13.96 34.45,19.24 v2(34.45,20.68) ; v2(29.02,77.32) 28.39,77.95 28.39,81.45 28.16,81.68 26.48,81.68 24.88,83.28 24.88,87.82 v2(22.38,90.32) 14.95,90.32 v2(14.52,90.75)
  Bottom w0.25: DL17.2 31.33,50.33 30.73,49.73 30.73,49.7 29.72,48.7 29.72,42.4 v2(28.23,40.91) ; DL14.1 24.17,6.38 24.17,7.28 DL15.2 ; DL16.2 35.97,32.85 v2(32.11,36.7) ; QL1.2 22.38,88.39 v2(22.38,90.32)
  Bottom w0.3: v2(29.17,11.43) 28.12,10.38 27.27,10.38 DL15.2 ; v2(14.52,90.75) 14.38,90.61 8.77,90.61 DL13.2 9.95,94.31 9.95,100.68 7.07,100.68 5.72,102.03 5.72,105.25 6.63,106.16 6.63,111.09 8.12,112.58 10.98,112.58 11.81,113.41 11.81,124.28 10.44,125.65 ; DL16.2 34.45,30.78 v2(34.45,20.68) ; v2(29.02,77.32) 29.02,75.48 29.83,74.67 31.77,74.67 32.9,73.54 32.9,72 32,71.1 32,63.75 33.81,61.94 33.81,54.72 31.33,52.24 DL17.2
